# Allegro board 6089-103-RevB_76.brd (continued)
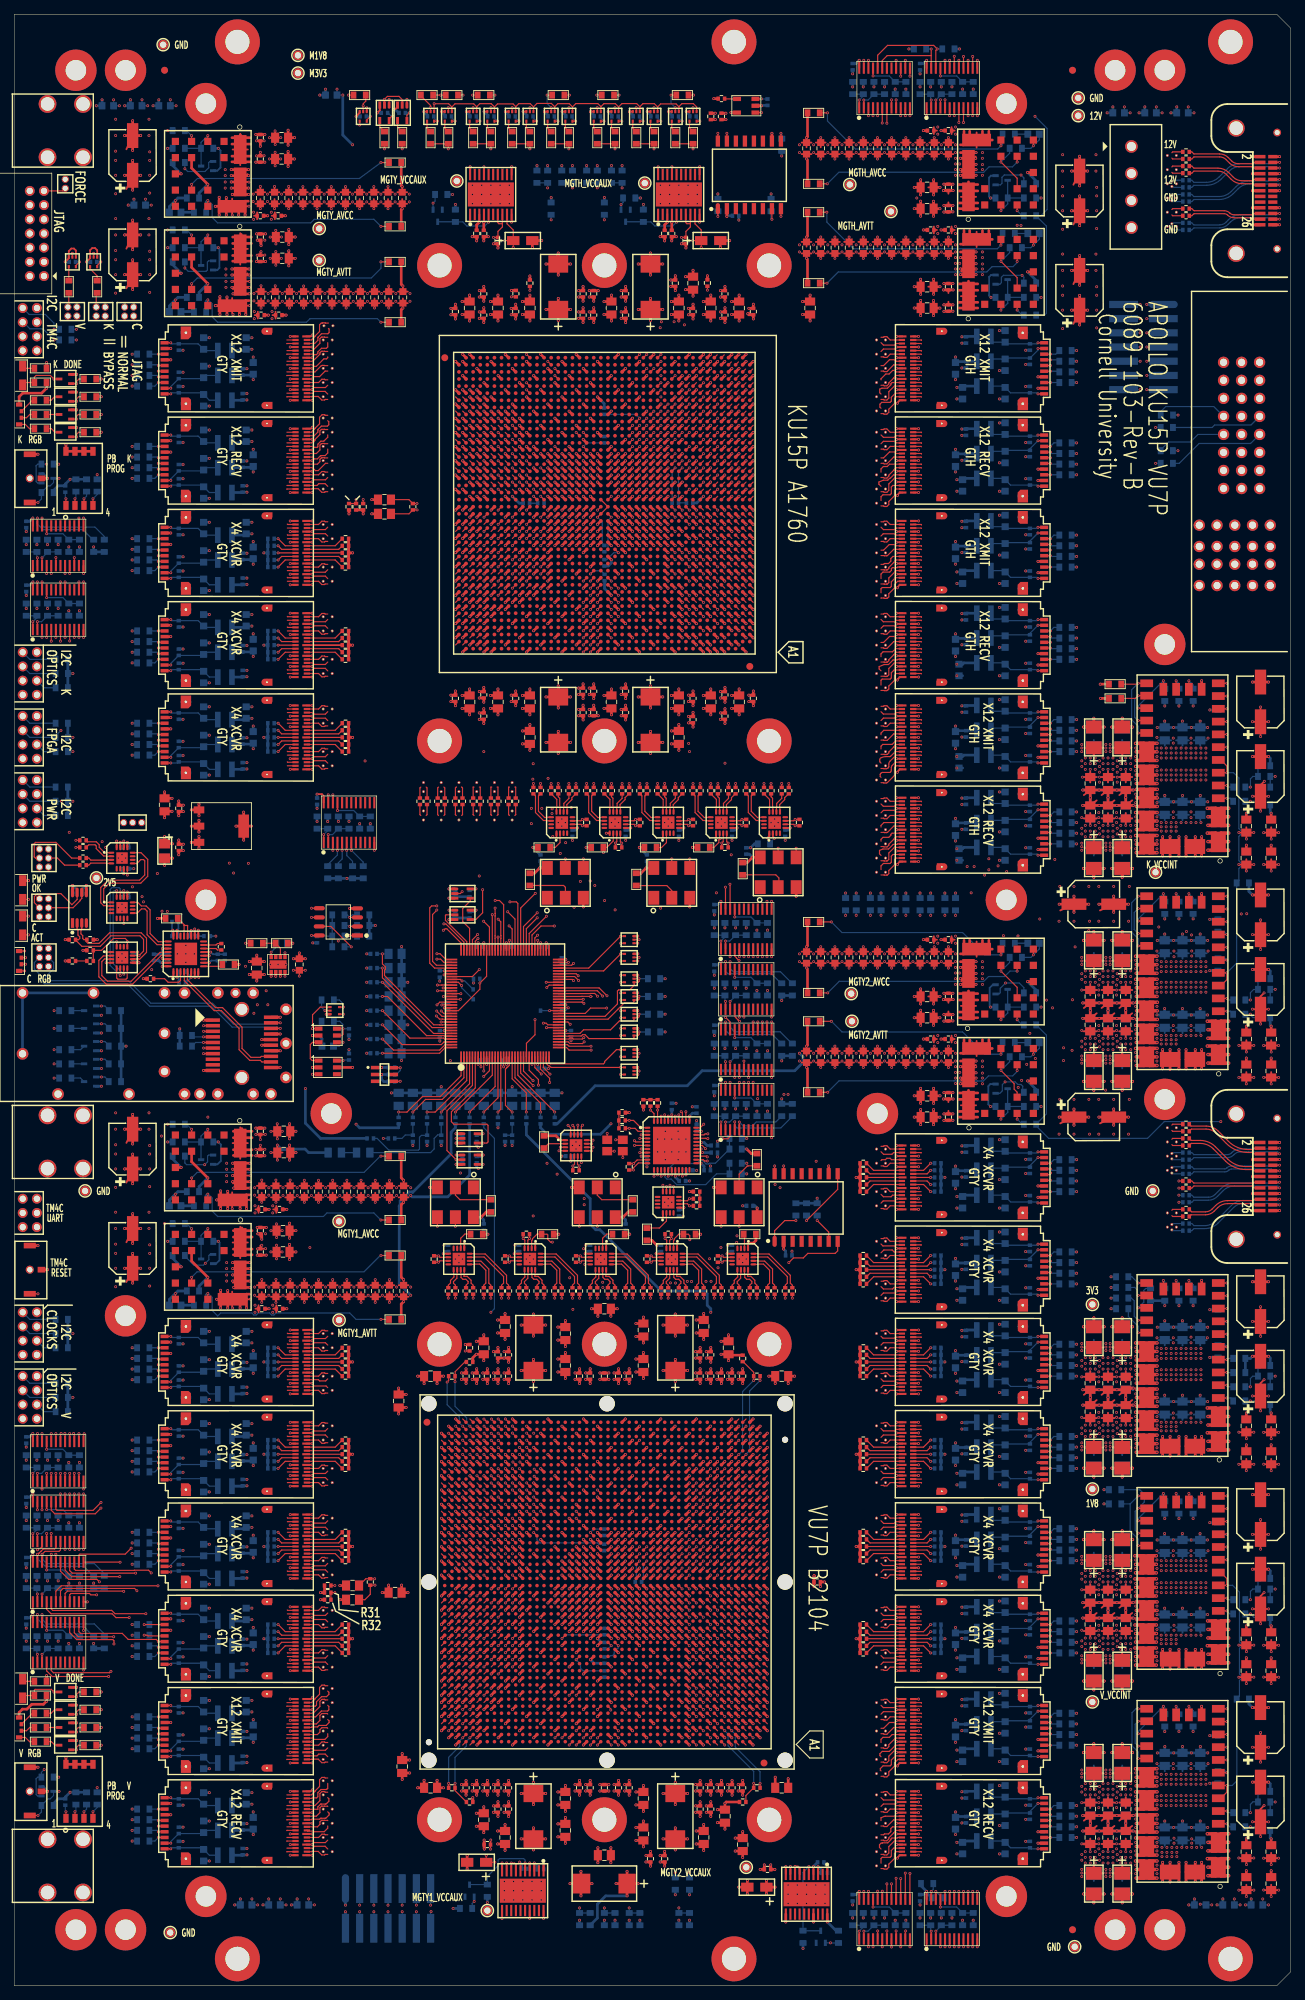
[diagram p0: board, top side]
## Routing (per net, layer and track width the routed paths; a pad name or vN(x,y) marks a point on that pad's centre or on a via; arc(x,y) is an arc through that point) (continued)
  SIG1 w0.079: v1(141.94,248.03) 141.94,244.13 134.91,237.11 v1(134.91,154)
  SIG2 w0.079: v1(134.91,154) 131.37,150.46 117.05,150.46 116.84,150.66 104.94,150.66 104.2,149.92 68.07,149.92 68,150 v1(66.17,150)
  SIG4 w0.079: v1(141.94,248.03) v1(141.94,255.14)
  BOTTOM w0.165: R313.2 142.34,254.74 v1(141.94,255.14) 141.93,255.15 139.59,255.15 139.25,254.81 139.25,253.97 139.03,253.75 Q9.1
CTRL_K_MGTH_AVTT_PWR_EN: length 182.1
  TOP w0.165: U52.103 64.58,142.2 v1(65.56,143.18)
  SIG1 w0.079: v1(137.4,158.8) 137.4,236.31 v1(142.09,241) ; v1(65.56,143.18) 65.56,146.64 65.75,146.83 65.75,148.22 65.56,148.41 v1(65.56,156.38)
  SIG2 w0.079: v1(65.56,156.38) 83.94,156.38 85.92,154.4 103.2,154.4 104.8,156 131.9,156 134.7,158.8 v1(137.4,158.8)
  BOTTOM w0.165: Q10.1 138.94,239.75 139.16,239.97 139.16,240.72 139.45,241.01 142.08,241.01 v1(142.09,241) 142.34,240.75 R316.2
CTRL_K_MGTH_VCCAUX_EN: length 125.9
  TOP w0.165: v1(67.8,151.85) 67.8,151.11 67.81,151.1 67.81,150.75 67.8,150.74 67.8,147.95 67.79,147.95 67.79,147.6 67.8,147.6 67.8,145.91 U52.84
  SIG2 w0.079: v1(84.72,151.59) 69.83,151.59 69.72,151.7 69.42,151.7 69.31,151.59 68.05,151.59 v1(67.8,151.85)
  SIG4 w0.079: v1(84.72,151.59) 84.72,160.52 84.38,160.85 84.38,161.16 84.72,161.5 84.72,162.93 85.04,163.26 85.04,163.54 84.72,163.87 84.72,163.93 85.04,164.26 85.04,164.54 84.72,164.87 84.72,173.91 85.32,174.52 85.32,176.28 84.72,176.89 84.72,239.22 85.55,240.05 v1(85.55,250.97)
  BOTTOM w0.165: R460.2 85.84,251.26 v1(85.55,250.97) Q14.1
CTRL_K_MGTY_AVCC_PWR_EN: length 152
  TOP w0.165: U52.85 v1(67.4,150.93)
  SIG2 w0.079: v1(30.93,156.79) 34.99,152.72 50.19,152.72 51.98,150.93 v1(67.4,150.93)
  SIG4 w0.079: v1(30.93,156.79) 30.93,158.71 30,159.64 30,232.2 26.1,236.1 26.1,249.09 24.06,251.12 v1(24.06,256.03)
  BOTTOM w0.165: Q17.1 27.59,257.05 27.43,256.88 27.43,256.17 26.89,255.63 24.45,255.63 v1(24.06,256.03) R591.2
CTRL_K_MGTY_AVTT_PWR_EN: length 138
  TOP w0.165: v1(60.6,142.43) 60.77,142.6 U52.102
  SIG2 w0.079: v1(60.6,142.43) 43.4,142.43 42.17,143.65 38.54,143.65 38.44,143.56 32.7,143.56 v1(32.61,143.65)
  SIG4 w0.079: v1(32.61,143.65) 32.61,145.52 29.43,148.7 29.43,155.18 28.3,156.31 28.3,230.6 24.06,234.84 v1(24.06,242.04)
  BOTTOM w0.165: R594.2 v1(24.06,242.04) 24.53,241.57 27.05,241.57 27.23,241.75 27.23,242.87 27.41,243.05 Q18.1
CTRL_K_MGTY_VCCAUX_EN: length 114.8
  TOP w0.165: v1(68.2,147.78) 68.2,145.91 U52.83
  SIG4 w0.079: v1(68.2,147.78) 68.2,148.29 69.62,149.7 70.13,149.7 71.99,151.56 71.99,181.96 71.83,182.12 71.83,231.09 69.12,233.79 69.12,240.35 59.05,250.43 v1(59.05,251.18)
  BOTTOM w0.165: Q16.1 v1(59.05,251.18) 59.34,251.46 R501.2
CTRL_K_VCCINT_PWR_EN: length 17.1
  TOP w0.165: U52.44 83.3,136.6 85.04,138.34 85.04,140.16 85.21,140.33 86.77,140.33 87.39,140.96 87.39,141.38 U71.1 87.96,141.4 88.1,141.54 88.1,141.89 v1(88.09,141.9) U71.2
  BOTTOM w0.165: R454.2 v1(88.09,141.9)
CTRL_V_MGTY1_AVCC_PWR_EN: length 59.9
  TOP w0.165: U52.110 v1(60.51,139.4)
  SIG1 w0.079: v1(26.86,115.69) 26.86,119.33 29.9,122.38 29.9,130.34 34.28,134.72 v1(34.28,138.23)
  SIG2 w0.079: v1(60.51,139.4) 60.14,139.03 49.58,139.03 49.21,139.4 35.45,139.4 v1(34.28,138.23)
  BOTTOM w0.165: Q19.1 27.4,117.05 27.26,116.91 27.26,116.1 v1(26.86,115.69) 24.31,115.69 24.06,115.94 R597.2
CTRL_V_MGTY1_AVTT_PWR_EN: length 73.7
  TOP w0.165: v1(59.68,140.2) 60.29,140.2 60.3,140.19 60.65,140.19 60.66,140.2 U52.108
  SIG1 w0.079: v1(35.52,140.2) 35.52,139.11 34.78,138.36 34.78,134.45 30.68,130.35 30.68,118.49 26.93,114.74 26.93,106.53 26.95,106.52 v1(26.95,101.81)
  SIG2 w0.079: v1(59.68,140.2) v1(35.52,140.2)
  BOTTOM w0.165: R600.2 24.06,102.81 25.32,101.55 26.68,101.55 v1(26.95,101.81) 27.45,102.31 27.45,102.91 27.59,103.05 Q20.1
CTRL_V_MGTY1_VCCAUX_EN: length 185
  TOP w0.165: U52.112 59.99,138.6 v1(59.6,138.21)
  SIG1 w0.079: v1(35.76,138.23) 35.76,129.56 31.3,125.1 31.3,23.3 33.36,21.24 33.36,21.16 33.56,20.96 33.64,20.96 44.73,9.87 62.83,9.87 v1(64.85,11.89)
  SIG2 w0.079: v1(35.76,138.23) 36.11,138.58 59.23,138.58 v1(59.6,138.21)
  BOTTOM w0.165: Q15.1 v1(64.85,11.89) 64.56,11.6 R498.2
CTRL_V_MGTY2_AVCC_PWR_EN: length 85
  TOP w0.165: U52.109 62.96,139.8 v1(62.97,139.79)
  SIG4 w0.079: v1(139.75,141.29) 139.45,141.29 138.71,140.56 130,140.56 129.66,140.9 76.26,140.9 75.39,140.03 63.22,140.03 v1(62.97,139.79)
  BOTTOM w0.165: R319.2 142.34,140.64 141.69,141.29 v1(139.75,141.29) 139,140.54 139,139.92 138.84,139.75 Q11.1
CTRL_V_MGTY2_AVTT_PWR_EN: length 98.8
  TOP w0.165: U52.107 v1(60.48,140.6)
  SIG1 w0.079: v1(61.49,130.35) 61.16,130.69 61.16,140.48 61.03,140.6 v1(60.48,140.6)
  SIG2 w0.079: v1(61.49,130.35) 62.01,130.88 66.43,130.88 68.25,129.05 74.25,129.05 75.33,127.97 91.97,127.97 92.59,128.59 104.05,128.59 105.18,127.47 136.62,127.47 136.73,127.36 v1(139.69,127.36)
  BOTTOM w0.165: R322.2 142.34,126.15 142.18,126.31 142.18,126.76 141.94,127 141.49,127 141.12,127.36 v1(139.69,127.36) 139.3,126.97 139.3,126.09 138.96,125.75 Q12.1
CTRL_V_MGTY2_VCCAUX_EN: length 216.6
  TOP w0.165: U52.111 v1(62.91,139)
  SIG1 w0.079: v1(113.06,116.17) 118.12,116.17 121.64,119.69 128.91,119.69 130.1,118.5 130.1,46.3 128.2,44.4 128.2,43.6 123.8,39.2 123.8,16 119,11.2 119,9.5 115.55,6.05 v1(115.07,6.05)
  SIG3 w0.079: v1(62.91,139) v1(62.91,114.53)
  SIG4 w0.079: v1(113.06,116.17) 112.41,116.17 111.33,115.1 96.49,115.1 96.35,115.24 89.84,115.24 89.12,114.53 76.89,114.53 76.69,114.73 76.38,114.73 76.18,114.53 v1(62.91,114.53)
  BOTTOM w0.165: R405.2 115.08,6.04 v1(115.07,6.05) Q13.1
CTRL_V_VCCINT_PWR_EN: length 14.4
  TOP w0.165: U52.37 78.19,133.8 78.22,133.83 79.94,133.83 80.13,134.01 80.47,134.01 81.02,133.46 87.21,133.46 87.38,133.63 U74.1 87.95,133.9 88.09,134.04 v1(88.09,134.4) U74.2
  BOTTOM w0.165: R457.2 v1(88.09,134.4)
CTRL_VCC_1V8_PWR_EN: length 14.9
  TOP w0.165: U52.38 79.77,134.2 80.27,134.69 84.06,134.69 85.31,135.95 87.21,135.95 87.38,136.12 U73.1 87.95,136.4 88.09,136.54 v1(88.09,136.9) U73.2
  BOTTOM w0.165: R456.2 v1(88.09,136.9)
CTRL_VCC_3V3_PWR_EN: length 15
  TOP w0.165: U72.2 v1(88.09,139.4) 88.09,139.04 87.95,138.9 U72.1 87.38,138.67 87.21,138.5 86.01,138.5 85.08,137.57 85.08,137.57 83.72,136.2 U52.43
  BOTTOM w0.165: R455.2 v1(88.09,139.4)
FPGA_I2C_SCL: length 47.7
  TOP w0.165: 44.92,166.7 v1(44.92,167.8)
  SIG2 w0.079: J4.2 3.2,178.44 9.54,172.1 17.8,172.1 21.6,168.3 44.43,168.3 v1(44.92,167.8)
FPGA_I2C_SDA: length 46.3
  TOP w0.165: U36.23 v1(44.27,167.8)
  SIG2 w0.079: v1(44.27,167.8) 43.87,167.4 22.66,167.4 22.16,167.9 21.37,167.9 21.34,167.87 21.06,167.87 21.03,167.9 12.2,167.9 J4.4
ID_EEPROM_WP: length 65.1
  TOP w0.165: U52.106 60.66,141 60.65,141.01 60.3,141.01 60.29,141 v1(59.66,141)
  SIG1 w0.079: J16.3 19.39,162.49 v1(19.39,143.18)
  SIG2 w0.079: v1(59.66,141) 57.2,141 56,142.2 41.26,142.2 40.59,141.53 35.28,141.53 33.64,143.18 v1(19.39,143.18)
K_CONFIG_BIT_M2: length 127.2
  TOP w0.165: v1(91.17,218.87) 90.72,218.4 U65.AL14 ; 7.29,208.59 v1(7.29,209.53)
  SIG3 w0.079: v1(91.17,218.87) 91.17,218.91 91.56,219.31 91.56,220.94 91.54,220.96 91.54,221.03 91.33,221.24 91.26,221.24 90.54,221.96 90.54,222.03 90.33,222.24 90.26,222.24 88.52,223.98 88.52,224.02 88.32,224.22 88.28,224.22 78.78,233.72 65.98,233.72 63.7,236 61,236 55.1,241.9 33.61,241.9 33.27,242.24 25.78,242.24 21.27,237.74 11.81,237.74 10.89,236.81 10.89,236.11 5.18,230.41 5.18,212.43 7.29,210.32 v1(7.29,209.53)
  BOTTOM w0.165: R676.1 7.2,209.62 v1(7.29,209.53)
K_DIP_SW_1: length 81.4
  TOP w0.165: SW4.2 v1(8.56,209.53) ; v1(72.23,225.87) 72.23,225.87 U65.AV32
  SIG3 w0.079: v1(72.23,225.87) 71.75,225.4 61.34,225.4 51.67,235.06 38.48,235.06 36.62,233.2 36.62,232.91 33.36,229.64 33.36,229.41 25.14,221.19 21.77,221.19 17.98,217.41 16.67,217.41 16.51,217.24 16.48,217.24 16.28,217.04 16.28,217.02 8.79,209.53 v1(8.56,209.53)
  BOTTOM w0.165: R666.2 8.7,209.66 v1(8.56,209.53)
K_DIP_SW_2: length 81
  TOP w0.165: U65.AU32 v1(72.23,224.87) ; 9.84,208.59 v1(9.84,209.53)
  SIG3 w0.079: v1(9.84,209.53) 16.38,216.07 21.27,216.07 23.33,218.13 24.53,218.13 38.1,231.7 38.1,233.24 39.55,234.69 50.92,234.69 51.33,234.28 51.33,234.25 51.55,234.03 51.58,234.03 61.22,224.4 71.75,224.4 v1(72.23,224.87)
  BOTTOM w0.165: v1(9.84,209.53) 10.2,209.89 R658.2
K_FF1_RECV_I2C_SCL: length 113.2
  TOP w0.165: U109.8 v1(146.07,164.9) ; U100.7 v1(123.03,262.44)
  SIG4 w0.079: v1(146.07,164.9) 143.8,164.9 135.14,173.56 135.14,247.63 132.48,250.29 132.41,250.29 132.19,250.51 132.19,250.51 131.99,250.71 131.99,250.71 128.13,254.57 128.13,254.6 127.93,254.8 127.6,254.8 124.1,258.3 124.1,261.36 v1(123.03,262.44)
  BOTTOM w0.165: v1(146.07,164.9) 146.57,165.4 R277.1
K_FF1_RECV_I2C_SDA: length 114.5
  TOP w0.165: U109.7 v1(146.07,164.1) ; U100.6 v1(122.38,262.46)
  SIG4 w0.079: v1(146.07,164.1) 143.2,164.1 139.23,168.07 139.23,168.36 139.03,168.56 138.74,168.56 134.4,172.91 134.4,245.71 128.13,251.97 128.13,252.64 127.03,253.74 126.87,253.74 123.56,257.06 123.56,257.06 123.36,257.26 123.36,257.26 123.1,257.52 123.1,261.74 v1(122.38,262.46)
  BOTTOM w0.165: v1(146.07,164.1) 146.27,163.9 R278.1
K_FF1_XMIT_I2C_SCL: length 102.5
  TOP w0.165: 121.72,264.6 v1(121.72,263.5) ; U108.8 v1(146.07,177.9)
  SIG4 w0.079: v1(146.07,177.9) 142.7,177.9 142.49,178.11 142.45,178.11 142.25,178.31 142.25,178.35 137.28,183.32 137.28,249.97 130.04,257.21 130.04,257.54 128.94,258.64 128.61,258.64 124.11,263.14 122.08,263.14 v1(121.72,263.5)
  BOTTOM w0.165: v1(146.07,177.9) 146.57,178.4 R273.1
K_FF1_XMIT_I2C_SDA: length 104
  TOP w0.165: U108.7 v1(146.07,177.1) ; U100.4 v1(121.08,263.5)
  SIG4 w0.079: v1(146.07,177.1) 142.1,177.1 136.13,183.07 136.13,250.57 129.64,257.06 129.24,257.06 128.36,257.94 128.36,258.44 123.94,262.86 121.57,262.86 121.08,263.35 v1(121.08,263.5)
  BOTTOM w0.165: R274.1 146.27,176.9 v1(146.07,177.1)
K_FF2_RECV_I2C_SCL: length 87.1
  TOP w0.165: U107.8 v1(146.07,190.9) ; U100.11 v1(125.62,263.5)
  SIG4 w0.079: v1(125.62,263.5) 125.62,263.45 128.02,261.06 128.41,261.06 130.4,259.07 130.54,259.07 130.56,259.06 130.84,259.06 130.86,259.07 131.15,259.07 132.37,257.84 132.84,257.84 133.04,257.64 133.04,257.17 133.17,257.04 133.44,257.04 133.64,256.84 133.64,256.57 135.26,254.96 135.26,254.96 135.46,254.76 135.46,254.76 139.66,250.55 139.66,194.84 142.71,191.79 142.73,191.79 142.94,191.59 142.94,191.56 143.6,190.9 v1(146.07,190.9)
  BOTTOM w0.165: R269.1 146.57,191.4 v1(146.07,190.9)
K_FF2_RECV_I2C_SDA: length 88.2
  TOP w0.165: U107.7 v1(146.07,190.1) ; U100.10 v1(124.97,263.5)
  SIG4 w0.079: v1(124.97,263.5) 124.97,263.03 127.36,260.64 127.36,260.26 127.56,260.06 127.94,260.06 128.36,259.64 128.36,259.26 128.56,259.06 128.94,259.06 132.56,255.44 132.84,255.44 133.04,255.24 133.04,254.96 138.43,249.58 138.43,194.18 142.5,190.1 v1(146.07,190.1)
  BOTTOM w0.165: R270.1 146.27,189.9 v1(146.07,190.1)
K_FF2_XMIT_I2C_SCL: length 78.4
  TOP w0.165: U106.8 v1(146.07,203.9) ; U100.9 v1(124.33,265.73)
  SIG4 w0.079: v1(146.07,203.9) 143.6,203.9 142.94,204.56 142.94,204.59 142.73,204.79 142.71,204.79 140.97,206.53 140.97,253.57 136.6,257.94 135.17,257.94 127.38,265.73 v1(124.33,265.73)
  BOTTOM w0.165: v1(146.07,203.9) 146.57,204.4 R265.1
K_FF2_XMIT_I2C_SDA: length 79.2
  TOP w0.165: U106.7 v1(146.07,203.1) ; U100.8 v1(123.67,265.73)
  SIG4 w0.079: v1(146.07,203.1) 143.2,203.1 140.28,206.01 140.28,250.72 135.94,255.06 135.94,255.24 135.74,255.44 135.56,255.44 134.1,256.9 134.1,258.55 127.67,264.98 123.94,264.98 123.67,265.24 v1(123.67,265.73)
  BOTTOM w0.165: R266.1 146.27,202.9 v1(146.07,203.1)
K_FF3_RECV_I2C_SCL: length 68.6
  TOP w0.165: U105.8 v1(146.07,216.9) ; U100.16 v1(124.33,271.3)
  SIG3 w0.079: v1(124.33,271.3) 124.33,270.27 128.91,265.69 128.91,265.55 130.43,264.03 133.44,264.03 134.11,263.36 134.11,263.34 134.32,263.13 134.34,263.13 139.5,257.96 139.5,256.7 144.43,251.77 144.43,251.76 144.63,251.56 144.64,251.56 145.25,250.94 145.25,217.72 v1(146.07,216.9)
  BOTTOM w0.165: R261.1 146.57,217.4 v1(146.07,216.9)
K_FF3_RECV_I2C_SDA: length 66.3
  TOP w0.165: U105.7 v1(146.07,216.1) ; U100.15 v1(124.97,269.07)
  SIG3 w0.079: v1(146.07,216.1) 145.74,216.1 144.79,217.05 144.79,237.4 144.43,237.76 144.43,250.97 134,261.4 132.24,261.4 125.03,268.61 125.03,269.01 v1(124.97,269.07)
  BOTTOM w0.165: v1(146.07,216.1) 146.27,215.9 R262.1
K_FF3_XMIT_I2C_SCL: length 55.4
  TOP w0.165: U100.14 v1(125.62,271.3) ; U104.8 v1(146.07,229.9)
  SIG3 w0.079: v1(146.07,229.9) 146.07,254.39 129.75,270.71 126.22,270.71 v1(125.62,271.3)
  BOTTOM w0.165: R257.1 146.84,229.9 v1(146.07,229.9)
K_FF3_XMIT_I2C_SDA: length 54.1
  TOP w0.165: U104.7 v1(146.07,229.1) ; U100.13 v1(126.28,269.07)
  SIG3 w0.079: v1(126.28,269.07) 126.94,269.07 129.28,266.73 133.11,266.73 145.69,254.15 145.69,229.48 v1(146.07,229.1)
  BOTTOM w0.165: v1(146.07,229.1) 147.14,229.1 R258.1
K_FF4_XCVR_I2C_SCL: length 26.2
  TOP w0.165: U24.8 v1(20.33,173.9) ; 5.22,191.1 v1(5.22,189.46)
  SIG1 w0.079: v1(5.22,189.46) 6.87,187.81 7.63,187.81 19.4,176.04 19.4,174.83 v1(20.33,173.9)
  BOTTOM w0.165: R620.1 19.83,173.4 v1(20.33,173.9)
K_FF4_XCVR_I2C_SDA: length 26.3
  TOP w0.165: U24.7 v1(20.33,174.7) ; U2.4 v1(4.58,190)
  SIG1 w0.079: v1(20.33,174.7) 19.79,175.24 19.79,176.73 8.29,188.23 7.04,188.23 5.28,190 v1(4.58,190)
  BOTTOM w0.165: R619.1 20.13,174.9 v1(20.33,174.7)
K_FF5_XCVR_I2C_SCL: length 18.8
  TOP w0.165: U23.8 v1(20.33,186.9) ; U2.7 v1(6.53,189.46)
  SIG1 w0.079: v1(6.53,189.46) 7.4,188.58 18.65,188.58 v1(20.33,186.9)
  BOTTOM w0.165: v1(20.33,186.9) 19.83,186.4 R616.1
K_FF5_XCVR_I2C_SDA: length 18.7
  TOP w0.165: U2.6 v1(5.88,190) ; U23.7 v1(20.33,187.7)
  SIG1 w0.079: v1(20.33,187.7) 19.08,188.95 7.54,188.95 6.89,189.59 6.89,189.61 6.51,190 v1(5.88,190)
  BOTTOM w0.165: R615.1 20.13,187.9 v1(20.33,187.7)
K_FF6_XCVR_I2C_SCL: length 21.5
  TOP w0.165: U2.9 v1(7.83,189.49) ; U22.8 v1(20.33,199.9)
  SIG1 w0.079: v1(20.33,199.9) 19.71,199.9 10.56,190.75 10.56,189.79 10.02,189.25 8.05,189.25 v1(7.83,189.49)
  BOTTOM w0.165: R612.1 19.83,199.4 v1(20.33,199.9)
K_FF6_XCVR_I2C_SDA: length 21.9
  TOP w0.165: U22.7 v1(20.33,200.7) ; U2.8 v1(7.17,190)
  SIG1 w0.079: v1(20.33,200.7) 19.98,200.7 10.25,190.97 10.25,189.88 9.9,189.53 8.3,189.53 7.84,190 v1(7.17,190)
  BOTTOM w0.165: v1(20.33,200.7) 20.13,200.9 R611.1
K_FF7_RECV_I2C_SCL: length 24.4
  TOP w0.165: U21.8 v1(20.33,212.9) ; U2.14 v1(9.12,197.8)
  SIG1 w0.079: v1(20.33,212.9) 20,212.9 13.41,206.31 13.41,200.84 9.96,197.39 9.54,197.39 v1(9.12,197.8)
  BOTTOM w0.165: v1(20.33,212.9) 19.83,212.4 R608.1
K_FF7_RECV_I2C_SDA: length 23.9
  TOP w0.165: U21.7 v1(20.33,213.7) ; U2.13 v1(9.78,197.8)
  SIG1 w0.079: v1(20.33,213.7) 19.84,213.7 12.76,206.62 12.76,200.79 v1(9.78,197.8)
  BOTTOM w0.165: v1(20.33,213.7) 20.13,213.9 R607.1
K_FF7_XMIT_I2C_SCL: length 44.4
  TOP w0.165: U20.8 v1(20.33,225.9) ; U2.11 v1(9.12,190)
  SIG1 w0.079: v1(20.33,225.9) 10.74,216.31 10.74,201.75 8.62,199.63 8.62,190.5 v1(9.12,190)
  BOTTOM w0.165: R604.1 19.83,225.4 v1(20.33,225.9)
K_FF7_XMIT_I2C_SDA: length 45.8
  TOP w0.165: U2.10 v1(8.47,190) ; U20.7 v1(20.33,226.7)
  SIG1 w0.079: v1(20.33,226.7) 19.3,226.7 10.3,217.69 10.3,202.24 8.19,200.13 8.19,199.15 8.19,199.15 8.19,198.84 8.19,198.84 8.19,190.28 v1(8.47,190)
  BOTTOM w0.165: R603.1 20.13,226.9 v1(20.33,226.7)
K_FPGA_DONE: length 97.1
  TOP w0.165: U65.AN16 v1(89.17,220.87) ; Q1.1 v1(8.8,225.75) 8.8,226.06 9.14,226.4 R14.2
  SIG3 w0.079: v1(89.17,220.87) 88.73,221.31 85.29,221.31 73.94,232.66 62.72,232.66 55.44,239.94 34.73,239.94 34.56,239.78 27.86,239.78 26.75,238.66 26.11,238.66 13.2,225.75 v1(8.8,225.75)
K_FPGA_I2C_SCL: length 95.2
  TOP w0.165: U65.AL24 v1(80.23,218.87) ; U36.5 v1(46.23,160)
  SIG2 w0.079: v1(77.74,161.07) 47.3,161.07 v1(46.23,160)
  SIG4 w0.079: v1(77.74,161.07) 78.04,161.37 78.04,164.04 77.83,164.26 77.83,181.86 79.14,183.16 79.14,183.56 79.65,184.06 79.65,218.3 v1(80.23,218.87)
  BOTTOM w0.165: R529.1 45.7,158.24 46.24,158.78 46.24,159.98 v1(46.23,160)
K_FPGA_I2C_SDA: length 94
  TOP w0.165: U65.AL25 v1(79.23,218.87) ; U36.4 v1(45.58,160)
  SIG2 w0.079: v1(45.58,160) 47.13,161.55 75.54,161.55 v1(75.92,161.94)
  SIG4 w0.079: v1(79.23,218.87) 78.63,218.28 78.63,183.72 76.33,181.42 76.33,163.7 75.92,163.29 v1(75.92,161.94)
  BOTTOM w0.165: v1(45.58,160) 45.55,159.98 45.55,159.31 44.2,157.96 R536.1
K_FPGA_PROGRAM: length 129.5
  TOP w0.165: U52.81 69,152.33 68.41,152.92 v1(67.81,152.92)
  SIG2 w0.079: v1(12.4,161.21) 12.91,161.21 15.81,158.3 29.4,158.3 29.65,158.55 30.97,158.55 34.31,155.21 45.29,155.21 46.88,153.62 52.27,153.62 53.34,152.54 66.62,152.54 67,152.92 v1(67.81,152.92)
  SIG4 w0.079: v1(4.57,214.4) 5.08,213.89 5.08,206.12 13.8,197.4 13.8,164.69 12.4,163.28 v1(12.4,161.21)
  BOTTOM w0.165: Q26.1 3.29,211.75 3.09,211.95 3.09,214.17 3.32,214.4 R704.2 v1(4.57,214.4)
K_GTH_SEL_SYNTH: length 38.8
  TOP w0.165: U93.6 v1(102.88,130.3) ; U87.2 99.45,161.72 v1(99.53,161.65) 99.34,161.46 99.34,161.46 99.34,161.09 98.65,160.4 R140.1
  SIG1 w0.079: v1(99.53,161.65) 99.84,161.65 100.08,161.88 101.47,161.88 101.55,161.8 101.55,151.09 101.21,150.75 101.21,149.06 101.47,148.8 101.47,144.44 102.04,143.87 102.04,139.04 101.83,138.82 101.83,135.52 102.5,134.86 102.5,130.67 v1(102.88,130.3)
K_GTY_SEL_SYNTH: length 57.8
  TOP w0.165: U93.7 v1(103.53,128) ; U68.2 84.45,161.3 83.55,160.4 R114.1 v1(83.06,159.69)
  SIG2 w0.079: v1(101.08,159.36) 97.48,159.36 96.25,158.12 87.02,158.12 85.45,159.69 v1(83.06,159.69)
  SIG3 w0.079: v1(103.53,128) 103.53,128.47 102.38,129.62 102.38,135.48 103.24,136.34 103.24,136.65 102.38,137.51 102.38,143.21 101.36,144.23 101.36,149.85 101.94,150.44 101.94,159.09 101.67,159.36 v1(101.08,159.36)
K_LED_BLUE: length 80.9
  TOP w0.165: R15.2 9.1,223.9 8.8,223.6 v1(8.8,223.25) Q2.1 ; U65.BA29 v1(75.23,228.87)
  SIG3 w0.079: v1(8.8,223.25) 18.34,223.25 27.17,232.08 27.17,234.29 30.83,237.95 52.37,237.95 61.95,228.37 74.72,228.37 v1(75.23,228.87)
K_LED_GREEN: length 82
  TOP w0.165: v1(76.23,227.87) 76.69,227.4 U65.AY28 ; Q3.1 v1(8.8,220.75) 8.8,221.15 9.04,221.4 R16.2
  SIG3 w0.079: v1(8.8,220.75) 16.59,220.75 30.51,234.68 30.51,235.35 30.51,235.36 30.51,235.64 30.51,235.65 30.51,235.93 30.95,236.36 33.62,236.36 34.15,236.88 51.81,236.88 61.36,227.33 75.68,227.33 v1(76.23,227.87)
K_LED_RED: length 81.7
  TOP w0.165: R17.2 9.09,218.9 8.8,218.61 v1(8.8,218.25) Q4.1 ; U65.AW28 v1(76.23,226.87)
  SIG3 w0.079: v1(76.23,226.87) 75.75,226.4 61.26,226.4 51.91,235.74 38.48,235.74 38.48,235.74 38.19,235.74 38.19,235.74 37.96,235.74 36.25,234.03 31.53,234.03 22.44,224.95 22.44,224.95 22.23,224.73 21.81,224.73 15.33,218.25 v1(8.8,218.25)
K_MGTH_AVCC: length 151.3
  TOP w0.165: U65.AU10 v1(95.17,224.87) ; U65.AB12 v1(93.17,209.87) ; U65.AG10 v1(95.17,214.87) ; C311.1 v1(111.7,260.4) ; U65.AN10 v1(95.17,220.87) ; U65.M12 v1(93.17,198.93) ; U65.E10 v1(95.17,191.93) ; U65.AR10 v1(95.17,222.87) ; U65.N10 v1(95.17,199.93) ; U65.W10 v1(95.17,205.93) ; U65.AL10 v1(95.17,218.87) ; U65.AK12 v1(93.17,217.87) ; U65.V12 v1(93.17,204.93) ; U65.R10 v1(95.17,201.93) ; U65.P12 v1(93.17,200.93) ; U65.AH12 v1(93.17,215.87) ; U65.L10 v1(95.17,197.93) ; U65.J10 v1(95.17,195.93) ; U65.G10 v1(95.17,193.93) ; U65.AJ10 v1(95.17,216.87) ; U65.AA10 v1(95.17,207.93) ; U65.Y12 v1(93.17,206.93) ; U65.AC10 v1(95.17,210.87)
  TOP w0.254: 113.01,259.71 C317.1 ; C317.1 113.7,259.05 ; C317.1 114.39,259.71 ; C317.1 113.7,260.37 ; C361.1 129.7,260.37 ; C361.1 129.7,259.05 ; C361.1 129.01,259.71 ; C361.1 130.39,259.71 ; 119.01,259.71 C329.1 ; C329.1 119.7,260.37 ; C329.1 120.39,259.71 ; C329.1 119.7,259.05 ; C333.1 122.39,259.71 ; C333.1 121.7,260.37 ; C333.1 121.01,259.71 ; C333.1 121.7,259.05 ; 127.01,259.71 C345.1 ; C345.1 128.39,259.71 ; C345.1 127.7,260.37 ; C345.1 127.7,259.05 ; 132.15,260.92 C365.1 ; C365.1 132.15,261.88 ; C365.1 132.58,261.4 ; C341.1 126.39,259.71 ; C341.1 125.7,259.05 ; C341.1 125.01,259.71 ; C341.1 125.7,260.37 ; C321.1 115.7,260.37 ; C321.1 116.39,259.71 ; C321.1 115.01,259.71 ; C321.1 115.7,259.05 ; C337.1 123.7,260.37 ; C337.1 123.01,259.71 ; C337.1 123.7,259.05 ; C337.1 124.39,259.71 ; C357.1 129.65,261.88 ; C357.1 129.65,260.92 ; C357.1 130.08,261.4 ; C311.1 112.39,259.71 ; C311.1 111.7,259.05 ; C311.1 111.01,259.71 ; C366.1 131.7,260.37 ; C366.1 131.7,259.05 ; C366.1 132.39,259.71 ; C366.1 131.01,259.71 ; C325.1 118.39,259.71 ; C325.1 117.7,259.05 ; C325.1 117.7,260.37 ; C325.1 117.01,259.71 ; 135.68,261.13 135.68,259
  TOP w0.381: v1(93.2,238.87) C234.1 v1(92.56,239.45) ; v1(86.2,180.43) C209.1 v1(85.56,179.85) ; v1(92.65,237.31) C238.1 v1(93.7,238.22) ; v1(85.56,237.95) C206.1 v1(86.2,237.37) ; 135.68,260.07 134.7,260.07 ; 134.7,260.07 134.1,260.07 ; 134.7,260.07 134.7,261.3 ; 137.88,260.07 137.4,260.07 ; 137.4,260.07 136.5,260.07 136.5,261.3 ; 137.4,260.07 137.4,261.3 ; v1(95.7,179.43) C248.1 v1(95.06,178.85) ; v1(92.65,176.81) C240.1 v1(93.7,177.72) ; 134.1,260.07 133.9,260.07 133.9,261.3 ; 134.1,260.07 134.1,259.65 133.85,259.4 133.4,259.4 ; R153.2 111.84,260.54 v1(111.7,260.4)
  SIG1 w0.15: v1(49.69,143.4) 49.65,143.4 49.12,143.93 49.12,157.72 55.6,164.2 55.6,165.3 57.1,166.8 93.21,166.8 95.18,168.76 95.18,169.96 95.58,170.36 95.58,174.56 v1(95.08,175.06)
  PWR3 w0.254: PM11.1 118.47,254.47 ; PM11.1 117.8,252.92 ; PM11.1 118.47,253.13 ; PM11.1 118.68,253.8 ; PM11.1 117.8,254.68 ; PM11.1 117.13,254.47 ; PM11.1 116.92,253.8 ; PM11.1 117.13,253.13
  BOTTOM w0.381: R511.1 v1(49.69,143.4)
  vias: v1(91.17,226.87) v1(91.17,223.87) v1(110.7,259.4) v1(112.7,259.4) v1(113.7,260.4) v1(114.7,259.4) v1(115.7,260.4) v1(116.7,259.4) v1(117.7,260.4) v1(118.7,259.4) v1(119.7,260.4) v1(120.7,259.4) v1(121.7,260.4) v1(122.7,259.4) v1(123.7,260.4) v1(124.7,259.4) v1(125.7,260.4) v1(126.7,259.4) v1(127.7,260.4) v1(128.7,259.4) v1(129.7,260.4) v1(130.2,261.9) v1(130.2,260.9) v1(130.7,259.4) v1(131.7,260.4) v1(132.7,261.9) v1(132.7,260.9) v1(132.7,259.4)
K_MGTH_AVCC_OK: length 169.3
  TOP w0.165: U52.75 71.4,151.86 v1(73.46,153.92) ; U118.9 v1(141.39,250.11)
  SIG1 w0.079: v1(141.39,248.06) 141.39,244.49 134.34,237.44 v1(134.34,157.7)
  SIG2 w0.079: v1(134.34,157.7) 130.11,153.47 110.68,153.47 110.38,153.17 110.1,153.17 109.8,153.47 73.91,153.47 v1(73.46,153.92)
  SIG4 w0.079: v1(141.39,250.11) v1(141.39,248.06)
  BOTTOM w0.165: R315.2 142.1,249.4 v1(141.39,250.11)
K_MGTH_AVTT: length 157
  TOP w0.165: U65.M8 v1(97.17,198.93) ; U65.R6 v1(99.17,201.93) ; U65.AF8 v1(97.17,213.87) ; C312.1 v1(111.7,246.4) ; U65.AD8 v1(97.17,211.87) ; U65.AM8 v1(97.17,219.87) ; U65.AL6 v1(99.17,218.87) ; U65.AJ6 v1(99.17,216.87) ; U65.E6 v1(99.17,191.93) ; U65.W6 v1(99.17,205.93) ; U65.AB8 v1(97.17,209.87) ; U65.D8 v1(97.17,190.93) ; U65.N6 v1(99.17,199.93) ; U65.AR6 v1(99.17,222.87) ; U65.AV8 v1(97.17,225.87) ; U65.V8 v1(97.17,204.93) ; U65.AK8 v1(97.17,217.87) ; U65.AE6 v1(99.17,212.87) ; U65.Y8 v1(97.17,206.93) ; U65.AC6 v1(99.17,210.87) ; U65.AH8 v1(97.17,215.87) ; U65.AN6 v1(99.17,220.87) ; U65.AG6 v1(99.17,214.87) ; U65.F8 v1(97.17,192.93) ; U65.U6 v1(99.17,203.93) ; U65.L6 v1(99.17,197.93) ; U65.K8 v1(97.17,196.93) ; U65.AU6 v1(99.17,224.87) ; U65.AA6 v1(99.17,207.93) ; U65.J6 v1(99.17,195.93) ; U65.H8 v1(97.17,194.93) ; U65.T8 v1(97.17,202.93) ; U65.G6 v1(99.17,193.93) ; U65.P8 v1(97.17,200.93) ; U65.AT8 v1(97.17,223.87) ; U65.AP8 v1(97.17,221.87)
  TOP w0.254: 131.01,245.71 C370.1 ; C370.1 131.7,245.05 ; C370.1 132.39,245.71 ; C370.1 131.7,246.37 ; 123.01,245.71 C338.1 ; C338.1 124.39,245.71 ; C338.1 123.7,245.05 ; C338.1 123.7,246.37 ; C358.1 130.08,247.4 ; C358.1 129.65,246.92 ; C358.1 129.65,247.88 ; C318.1 113.7,246.37 ; C318.1 114.39,245.71 ; C318.1 113.7,245.05 ; C318.1 113.01,245.71 ; C322.1 115.7,246.37 ; C322.1 115.01,245.71 ; C322.1 116.39,245.71 ; C322.1 115.7,245.05 ; 129.7,245.05 C362.1 ; C362.1 129.01,245.71 ; C362.1 130.39,245.71 ; C362.1 129.7,246.37 ; C326.1 117.7,246.37 ; C326.1 118.39,245.71 ; C326.1 117.7,245.05 ; C326.1 117.01,245.71 ; 127.01,245.71 C346.1 ; C346.1 128.39,245.71 ; C346.1 127.7,245.05 ; C346.1 127.7,246.37 ; C369.1 132.15,247.88 ; C369.1 132.58,247.4 ; C369.1 132.15,246.92 ; 119.01,245.71 C330.1 ; C330.1 119.7,246.37 ; C330.1 120.39,245.71 ; C330.1 119.7,245.05 ; 135.68,245 135.68,247.13 ; C342.1 125.7,246.37 ; C342.1 125.7,245.05 ; C342.1 125.01,245.71 ; C342.1 126.39,245.71 ; C312.1 112.39,245.71 ; C312.1 111.01,245.71 ; C312.1 111.7,245.05 ; C334.1 121.7,246.37 ; C334.1 121.7,245.05 ; C334.1 122.39,245.71 ; C334.1 121.01,245.71
  TOP w0.381: 134.7,247.3 134.7,246.07 ; 134.7,246.07 135.68,246.07 ; 134.7,246.07 134.1,246.07 ; 133.9,247.3 133.9,246.07 134.1,246.07 ; 136.5,247.3 136.5,246.07 137.4,246.07 ; v1(101.15,181.81) C288.1 v1(102.2,182.72) ; 137.88,246.07 137.4,246.07 ; 137.4,246.07 137.4,247.3 ; v1(111.7,246.4) 111.84,246.54 R155.2 ; v1(103.42,235.6) 103.56,235.6 103.56,235.45 C295.1 v1(104.2,234.87) ; v1(99.56,182.35) C278.1 v1(100.2,182.93) ; v1(99.56,234.95) C277.1 v1(100.2,234.37) ; v1(102.2,234.58) C287.1 v1(101.15,235.49) ; 134.1,246.07 134.1,245.65 133.85,245.4 133.4,245.4 ; v1(104.2,182.43) C296.1 v1(103.56,181.85)
  SIG1 w0.15: v1(123.7,246.4) 123.6,246.5 PM12.1 ; v1(49.69,145.4) 49.69,157.59 56.3,164.2 56.3,165.3 57.4,166.4 96.92,166.4 100.2,169.68 v1(100.2,172.26)
  BOTTOM w0.381: v1(97.17,209.87) 96.23,208.94 R448.2 ; R510.1 v1(49.69,145.4)
  vias: v1(110.7,245.3) v1(112.7,245.3) v1(113.7,246.4) v1(114.7,245.3) v1(115.7,246.4) v1(116.7,245.3) v1(117.7,246.4) v1(118.7,245.3) v1(119.7,246.4) v1(120.7,245.3) v1(121.7,246.4) v1(122.7,245.3) v1(124.7,245.3) v1(125.7,246.4) v1(126.7,245.3) v1(127.7,246.4) v1(128.7,245.3) v1(129.7,246.4) v1(130.2,247.9) v1(130.2,246.9) v1(130.7,245.3) v1(131.7,246.4) v1(132.7,247.9) v1(132.7,246.9) v1(132.7,245.3)
